# Altium PCB LF_v5.PcbDoc (part 2 of 2)
Units mm, origin at the board's own origin, x right, y up, seen from the top; angles counter-clockwise.
Board outline 130 x 40.35 mm, 2 copper layers (Top Layer, Bottom Layer), stack 1.571 mm thick; 76 components, 75 nets, 383 pads, 137 vias.
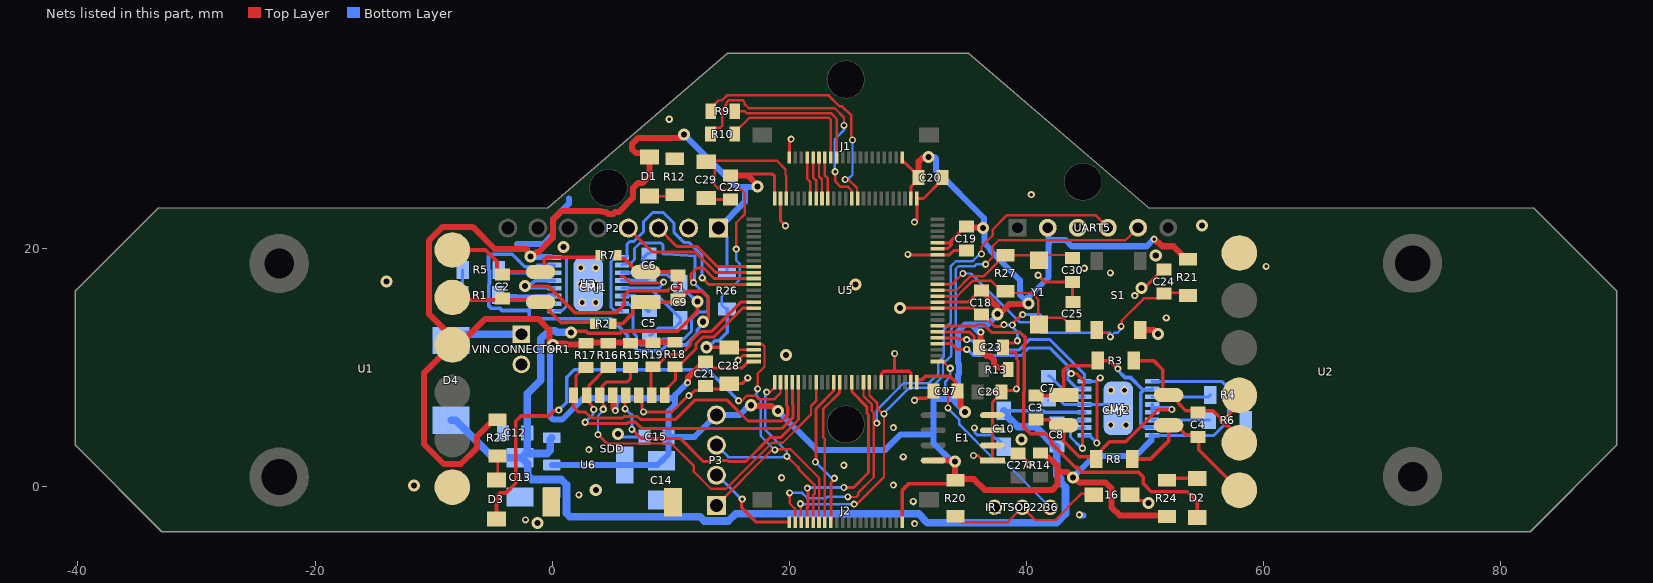
[diagram p2: the nets of this part, all layers, seen from the top]

## Via types
v1: diameter 0.6, hole 0.3, Top Layer to Bottom Layer, tented both sides, 100 vias
v2: diameter 1.016, hole 0.508, Top Layer to Bottom Layer, tented both sides, 33 vias
v3: diameter 0.6, hole 0.3, Top Layer to Bottom Layer, 4 vias

## Nets (pads, with @x,y where several pads share a name; then routed paths per layer and width w, separated by ;. In a path a pad name is that pad's centre, name@x,y a point inside that pad or via, vN(x,y) a via of type N, cw(c..) or ccw(c..) an arc to the next point about the centre after c; other vN are vias at no path point) (continued)
GND: 16.2 "VIN CONNECTOR1.2" C5.2 C7.2 C9.2 C10.2 C12.2 C13.2 C14.2 C15.2 C17.2 C18.2 C19.2 C20.2 C21.2 C22.2 C23.2 C24.2 C25.1 C26.2 C27.2 C28.1 C29.1 C30.1 E1.1 E1.2 E1.3 E1.4 IR_TSOP2236.3 J1.20 J2.20 P2.2 P3.2 R1.2 R4.2 R5.2 R6.2 R12.2 S1.2 SDD.6 SDD.SH1 U1.1 U2.1 U3.13 U3.17 U4.13 U4.17 U5.10 U5.19 U5.26 U5.49 U5.74 U5.94 U5.99 U6.1 UART5.3 | length 126.2
  Top Layer w0.254: v2@0.9,20 0.9,20.106 v2(0.951,20.158) ; 5.8,17.65 6.05,17.65 6.577,17.123 8.909,17.123 8.92,17.134 9.334,17.134 v1(9.4,17.2) ; SDD.6@7.297,7.65 7.57,7.377 7.57,6.473 7.7,6.344 v1(7.7,6.25) 10.1,6.25 v1@11.475,7.625 ; v1(11.525,7.625) v1@11.475,7.625 ; C29.1@13,24.291 13.127,24.164 C22.2@15.05,24.164 ; v1(15.675,10.6) 15.675,10.625 15.725,10.675 15.766,10.675 16.091,11 U5.74@17,11 ; v1(16.025,-1.1) 15.975,-1.15 15.975,-1.825 17.2,-3.05 J2.20@20,-3.05 ; v1(16.49,9.116) 16.49,9.09 16.027,8.627 C28.1@14.932,8.627 14.468,8.163 13.21,8.163 C21.2@12.925,8.448 12.838,8.361 12.544,8.067 12.046,8.067 11.604,7.625 v1@11.475,7.625 ; U5.49@19.25,24.25 19.25,22.375 v1(19.675,21.95) ; J1.20@20,27.7 20,29.006 20.15,29.156 v1(20.15,29.25) ; U5.94@27.75,8.75 27.773,8.773 27.773,9.485 27.965,9.677 28.852,9.677 ; v1(28.868,11.172) 28.9,11.14 28.9,10.925 28.852,10.877 28.852,9.677 ; v2(29.325,15) U5.10@32.5,15 35.523,15 36.073,14.45 C18.2@36.2,14.45 36.327,14.45 37.345,13.432 37.862,13.432 37.985,13.555 38.046,13.555 v1(38.096,13.605) ; v1(30,19.525) 30.025,19.5 U5.19@32.5,19.5 33.508,19.5 33.859,19.851 C19.2@34.925,19.851 ; U5.99@30.25,8.75 30.254,8.754 30.254,9.535 30.111,9.677 28.852,9.677 ; v1(30.55,22.25) 30.75,22.45 U5.26@30.75,24.25 31.302,24.25 32.925,25.873 C20.2@32.925,26 ; v1(30.552,7.235) 30.552,7.252 30.7,7.4 31.55,7.4 31.642,7.492 31.769,7.492 32.15,7.873 C17.2@32.15,8 ; v1(35.525,2.575) 35.91,2.575 36.325,2.16 E1.1@37.125,2.16 E1.2@37.125,3.43 E1.3@37.125,4.7 E1.4@37.125,5.97 37.125,7.056 C26.2@37.882,7.813 ; v1(36.9,7.975) 36.935,7.94 C26.2@37.882,7.94 C26.2@37.882,7.813 ; v1(38.802,13.576) 38.802,13.652 39.597,14.447 v1(39.671,14.447) ; v1(39.222,12.249) 39.199,12.249 39,12.05 38.382,12.05 C23.2@38.032,11.7 38.032,11.681 38.413,11.3 39.001,11.3 39.15,11.151 39.15,10.715 39.275,10.59 39.275,8.325 v1(39.137,8.187) 39,8.05 38.119,8.05 C26.2@37.882,7.813 ; C27.2@39.295,2.757 39.422,2.757 40.075,2.104 40.075,1.875 40.16,1.79 v1(40.219,1.79) ; v2@39.475,3.925 v2(39.584,3.925) ; v1(40.977,17.776) 40.977,17.773 41.557,17.193 C30.1@43.875,17.193 43.875,15.557 C25.1@43.9,15.532 ; 16.2@48.725,-0.756 49.208,-1.238 50.088,-1.238 v2(50.3,-1.45) ; v1@49.117,16.049 v1@49.124,16.049 ; v2(49.675,16.7) 49.7,16.725 49.938,16.725 51.47,18.257 C24.2@51.597,18.257
  Top Layer w0.508: S1.2@49.59,13.146 50.754,13.146 v2(51.075,12.825) ; v2@54.798,21.946 54.798,21.948 v2(54.8,21.95)
  Bottom Layer w0.254: v2@-13.975,17.075 v2(-13.975,17.25) ; R1.2@-7.598,16.091 -7.548,16.141 R5.2@-7.548,18.225 ; v2@-1.275,-3.175 -1.275,-3.15 v2(-1.25,-3.125) ; v2@5.375,4.3 v2@5.412,4.263 ; v2(5.55,4.4) 5.53,4.38 5.53,4.145 7.767,4.145 C15.2@7.779,4.134 ; U3.13@5.885,16.678 8.279,16.678 ; C5.2@8.2,12.718 8.327,12.718 8.924,13.315 10.321,13.315 10.804,13.797 C9.2@10.804,13.975 10.804,14.153 8.279,16.678 ; v1(9.4,17.2) 9.4,17.106 9.3,17.006 9.3,17 8.978,16.678 8.279,16.678 ; P3.2@13.85,0.91 13.932,0.91 15.943,-1.1 v1(16.025,-1.1) ; v2@25.575,16.825 25.586,16.836 v2(25.586,16.988) ; v1@29.593,2.448 29.598,2.448 v1(29.6,2.45) ; v1(30.447,-1.3) 30.475,-1.328 v1@30.475,-1.575 ; v1(35.6,4.9) 35.647,4.853 35.647,4.478 35.825,4.3 37.059,4.3 37.399,3.96 37.577,3.96 38.059,3.478 C10.2@38.059,3.3 ; v1(38.096,13.605) 38.111,13.59 38.787,13.59 v1(38.802,13.576) ; v1@38.722,13.495 39.222,12.995 v1(39.222,12.249) ; v1(39.137,8.187) 39.15,8.2 v1@39.15,8.25 ; v1(39.671,14.447) 41.128,14.447 41.4,14.175 ; C7.2@41.85,7.225 42.825,7.225 43.174,6.876 U4.13@44.892,6.876 47.417,6.876 U4.17@47.742,6.551
  Bottom Layer w0.508: -2.975,20.4 -0.772,20.4 0.057,21.229 0.057,22.445 1.4,23.788 1.4,24.225 ; v3(9.875,30.925) v3@9.9,30.925 ; v3@24.601,1.749 v3@24.62,1.749 ; v3(44.46,-2.423) 44.537,-2.5 44.8,-2.5
  other v1: 30.567,-3.171 -2.25,-2.85 2.25,-0.75 28.775,0.075 3.1,3.075 28.775,4.925 51.781,14.181 49.125,16.05 47.075,17.975 44.87,18.366 60.2,18.525 40.4,24.575
  other v2: 3.675,-0.325 -11.65,0.025 19.725,11.05 50.894,19.422
  other v3: 19.35,0.7 24.6,1.75
GPIO_1: J1.14 U5.41 | length 3.6
  Top Layer w0.203: J1.14@23,27.7 23,26.174 23.25,25.924 U5.41@23.25,24.25
GPIO_2: J1.15 U5.42 | length 3.6
  Top Layer w0.203: J1.15@22.5,27.7 22.5,26.1 22.75,25.85 U5.42@22.75,24.25
GPIO_3: J1.16 U5.43 | length 3.6
  Top Layer w0.203: J1.16@22,27.7 22,26.025 22.25,25.775 U5.43@22.25,24.25
GPIO_4: J1.17 U5.44 | length 3.6
  Top Layer w0.203: J1.17@21.5,27.7 21.5,25.925 21.75,25.675 U5.44@21.75,24.25
IR_PIN: IR_TSOP2236.2 U5.1 | length 17.3
  Top Layer w0.203: U5.1@32.5,10.5 32.95,10.5 33.524,9.926 v1(33.561,9.926) ; v1(33.161,8.098) 33.161,7.99 33.372,7.779 33.372,6.588 v1(33.377,6.583)
  Bottom Layer w0.203: v1(33.161,8.098) 33.161,8.812 33.561,9.212 v1(33.561,9.926) ; v1(33.377,6.583) 33.377,6.523 34.336,5.565 34.336,5.179 37.304,2.211 37.989,2.211 IR_TSOP2236.2@42,-1.8
LD1: D3.1 U5.77 | length 37
  Top Layer w0.203: v1@15.854,7.052 16.425,7.624 17.098,7.624 17.413,7.309 18.713,7.309 19.25,7.845 U5.77@19.25,8.75
  Top Layer w0.305: D3.1@-4.7,-2.777 -4.7,-0.925 -4.365,-0.59 -3.895,-0.59 -3.075,0.229 -3.075,5.45 -2.625,5.9 -0.3,5.9 0.147,6.347 0.501,6.347 v1(0.557,6.403) ; v1(15.721,7.185) v1@15.75,7.156
  Bottom Layer w0.305: v1(0.557,6.403) 1.225,7.071 1.225,9.175 1.85,9.8 13.106,9.8 v1(15.721,7.185)
LD2: D2.1 U5.7 | length 34.6
  Top Layer w0.254: U5.7@32.5,13.5 35.784,13.5 35.889,13.605 36.399,13.605 37.058,12.945 39.063,12.945 39.092,12.975 39.425,12.975
  Top Layer w0.305: 39.425,12.975 39.793,12.607 39.793,12.606 39.878,12.521 39.878,11.978 39.793,11.893 39.793,7.916 39.757,7.88 39.757,4.973 40.33,4.4 41.575,4.4 42.1,3.875 42.1,3.6 44.111,1.589 44.258,1.589 44.686,1.161 49.439,1.161 49.825,0.775 49.825,0.225 50.525,-0.475 53.56,-0.475 54.386,-1.301 D2.1@54.386,-2.652
LD3: R9.2 U5.36 | length 21.3
  Top Layer w0.203: R9.2@13.375,31.6 13.375,31.854 14.025,32.504 14.294,32.504 14.733,32.943 23.307,32.943 24.243,32.007 24.449,32.007 25.225,31.231 25.225,29.275 v1(25.325,29.175) ; v1(24.697,25.847) 24.773,25.771 25.054,25.771 25.702,25.124 25.702,24.298 U5.36@25.75,24.25
  Bottom Layer w0.203: v1(24.697,25.847) 24.772,25.922 24.997,25.922 25.325,26.25 v1(25.325,29.175)
LD4: R10.2 U5.37 | length 22.4
  Top Layer w0.203: R10.2@13.35,29.675 13.35,29.929 13.629,30.208 14.158,30.208 14.325,30.375 14.325,31.8 14.7,32.175 14.7,32.336 14.901,32.537 16.04,32.537 16.217,32.36 16.217,32.208 16.575,31.85 23.825,31.85 24.605,31.07 v1(24.605,30.406) ; v1(23.855,26.5) 23.875,26.48 23.875,25.675 24.325,25.225 24.952,25.225 25.238,24.938 25.238,24.262 U5.37@25.25,24.25
  Bottom Layer w0.203: v1(23.855,26.5) 23.825,26.53 23.825,29.225 24.65,30.05 24.65,30.361 v1(24.605,30.406)
M1_IN1: U4.9 U4.16 U5.5 | length 23.5
  Top Layer w0.254: U5.5@32.5,12.5 34.175,12.5 34.332,12.343 v1(34.957,12.343) ; v1(45.925,3.625) 45.925,8.925 46.125,9.125 46.137,9.113 v1(46.215,9.113)
  Bottom Layer w0.254: v1(34.957,12.343) 35.017,12.284 35.353,12.284 36.186,11.45 39.333,11.45 40.226,12.343 41.982,12.343 44.892,9.433 U4.16@44.892,8.826 45.873,8.826 46.16,9.113 v1(46.215,9.113) ; U4.9@44.892,4.276 45.292,4.276 45.75,3.818 45.75,3.774 45.899,3.625 v1(45.925,3.625)
M1_IN2: U4.10 U4.15 U5.4 | length 25.9
  Top Layer w0.254: U5.4@32.5,12 33.675,12 34.175,11.5 34.932,11.5 v1(34.957,11.525) ; v1(43.771,9.472) 43.793,9.45 43.825,9.45 43.85,9.475 44.225,9.475 44.87,8.83 44.87,8.62 44.716,8.466 v1(44.716,3.181)
  Bottom Layer w0.254: v1(34.957,11.525) 35.023,11.525 35.555,10.993 39.522,10.993 40.179,11.65 41.955,11.65 43.475,10.13 43.475,9.825 ; v1(43.771,9.472) 43.771,9.529 43.475,9.825 ; v1(44.716,3.181) 44.644,3.181 43.7,4.125 43.7,4.525 44.028,4.853 44.819,4.853 U4.10@44.892,4.926 ; U4.15@44.892,8.176 44.819,8.249 44.236,8.249 43.475,9.01 43.475,9.825
M2_IN1: U3.9 U3.16 U5.62 | length 24.2
  Top Layer w0.254: v1(12.65,17.55) 13.2,17 U5.62@17,17
  Bottom Layer w0.254: U3.16@5.885,14.728 5.812,14.801 5.229,14.801 4.958,15.072 4.958,18.934 5.229,19.205 5.885,19.205 6.052,19.205 U3.9@6.198,19.351 ; U3.9@5.885,19.278 6.125,19.278 U3.9@6.198,19.351 ; v1(12.65,17.55) 12.65,19.43 11.565,20.515 11.137,20.515 10.252,21.4 10.252,22.177 9.367,23.061 8.473,23.061 7.68,22.269 7.68,21.412 6.888,20.62 6.546,20.62 6.308,20.381 6.308,19.351 U3.9@6.198,19.351
M2_IN2: U3.10 U3.15 U5.61 | length 32.2
  Top Layer w0.254: v1(11.917,17.148) 11.867,17.198 11.867,17.235 11.725,17.376 11.725,17.875 12.225,18.375 12.775,18.375 13.65,17.5 U5.61@17,17.5
  Bottom Layer w0.254: U3.15@5.885,15.378 5.958,15.305 6.457,15.305 6.507,15.255 6.591,15.255 6.812,15.034 6.812,12.945 7.092,12.665 7.092,12.22 7.43,11.883 8.97,11.883 9.162,12.075 9.162,12.234 9.311,12.383 11.071,12.383 11.74,13.052 11.74,14.076 12.353,14.688 12.987,14.688 13.153,14.855 13.153,15.911 v1(11.917,17.148) 12.02,17.251 12.02,17.276 12.02,18.194 12.025,18.199 12.025,19.409 9.565,19.544 9.325,19.557 9.325,20.343 9.176,20.492 7.407,20.492 6.948,20.033 6.948,19.108 6.541,18.701 5.958,18.701 U3.10@5.885,18.628
MPU_SCL: P2.3 U5.59 | length 9.4
  Top Layer w0.254: P2.3@8.96,21.75 10.507,20.203 12.239,20.203 13.943,18.5 U5.59@17,18.5
MPU_SDA: P2.4 U5.60 | length 12.1
  Top Layer w0.254: P2.4@6.42,21.75 8.424,19.746 12.05,19.746 13.773,18.023 16.407,18.023 16.977,18.023 U5.60@17,18
Net16_1: 16.1 IR_TSOP2236.1 R20.2 | length 13.6
  Top Layer w0.203: R20.2@34.025,-2.563 34.512,-3.05 38.4,-3.05 39.383,-2.067 39.917,-2.067 40.717,-2.867 42.442,-2.867 43.513,-1.795 43.513,-1.73 44.585,-0.659 45.58,-0.659 16.1@45.677,-0.756
NetC5_1: C5.1 U3.14 | length 2.9
  Bottom Layer w0.305: U3.14@5.885,16.028 6.942,16.028 7.717,15.253 7.717,15.106 8.073,14.75 C5.1@8.2,14.75
NetC6_1: C6.1 U3.11 | length 3.2
  Bottom Layer w0.305: U3.11@5.885,17.978 6.871,17.978 7.692,18.799 7.692,19.269 8.048,19.625 C6.1@8.175,19.625
NetC7_1: C7.1 U4.14 | length 3.9
  Bottom Layer w0.254: C7.1@41.85,9.257 41.977,9.257 43.175,8.059 43.175,7.75 43.399,7.526 U4.14@44.892,7.526
NetC8_1: C8.1 U4.11 | length 2.4
  Bottom Layer w0.254: C8.1@42.55,5.357 43.666,5.357 43.884,5.576 U4.11@44.892,5.576
NetD1_1: D1.1 R12.1 | length 2.2
  Top Layer w0.203: D1.1@8.2,24.45 8.232,24.418 10.2,24.418 R12.1@10.334,24.552
NetD2_2: D2.2 R24.2 | length 2.6
  Top Layer w0.305: R24.2@51.825,0.473 52.002,0.65 D2.2@54.386,0.65
NetD3_2: D3.2 R25.2 | length 2
  Top Layer w0.203: D3.2@-4.7,0.525 -4.6,0.625 R25.2@-4.6,2.525
NetD4_2: "VIN CONNECTOR1.1" D4.2 | length 6.1
  Bottom Layer w0.635: D4.2@-8.525,12.275 -8.005,12.795 -2.6,12.795
NetJ1_12: J1.12 R9.1 | length 12.1
  Top Layer w0.203: R9.1@15.407,31.6 16.251,31.6 16.407,31.444 23.506,31.444 24,30.949 J1.12@24,27.7
NetJ1_13: J1.13 R10.1 | length 12
  Top Layer w0.203: R10.1@15.382,29.675 15.382,29.802 16.618,31.038 23.337,31.038 23.5,30.875 J1.13@23.5,27.7
NetR1_1: R1.1 U3.3 | length 4.8
  Bottom Layer w0.305: R1.1@-4.55,16.091 -4.484,16.025 -3.05,16.025 -3.011,15.986 -1.481,15.986 -1.439,16.028 U3.3@0.185,16.028
NetR4_1: R4.1 U4.3 | length 5
  Bottom Layer w0.254: U4.3@50.592,7.526 55.342,7.526 R4.1@55.5,7.684
NetR5_1: R5.1 U3.6 | length 4.8
  Bottom Layer w0.305: R5.1@-4.5,18.225 -4.253,17.978 U3.6@0.185,17.978
NetR6_1: R6.1 U4.6 | length 4.8
  Bottom Layer w0.254: U4.6@50.592,5.576 55.401,5.576 R6.1@55.427,5.55
OSC_IN: C25.2 R27.2 U5.12 Y1.1 | length 15.2
  Top Layer w0.203: U5.12@32.5,16 34.148,16 35.44,17.292 37.028,17.292 37.895,16.425 R27.2@38.225,16.425 38.379,16.271 40.431,16.271 40.99,15.712 40.99,13.682 Y1.1@41.042,13.63 41.606,14.194 43.079,14.194 43.773,13.5 C25.2@43.9,13.5
OSC_OUT: C30.2 R27.1 U5.13 Y1.2 | length 13.6
  Top Layer w0.203: U5.13@32.5,16.5 34.074,16.5 35.272,17.698 36.403,17.698 37.565,18.859 37.565,19.143 R27.1@37.895,19.473 ; R27.1@38.225,19.473 R27.1@37.895,19.473 ; C30.2@43.875,19.225 43.62,19.48 41.492,19.48 Y1.2@41.042,19.03 40.599,19.473 R27.1@37.895,19.473
PWM1_M1: C3.1 CMJ2.1 R3.1 U4.2 U4.7 | length 17.4
  Top Layer w0.305: C3.1@40.8,7.625 CMJ2.1@43.125,7.625 ; CMJ2.1@43.125,7.665 43.125,9.19 43.116,9.2 43.116,9.743 43.5,10.127 45.554,10.127 R3.1@46.002,10.575 47.025,10.575 v1(47.7,9.9)
  Bottom Layer w0.305: v1(47.7,9.9) 47.7,9.75 48.297,9.153 48.772,9.153 49.797,8.128 49.925,8.128 ; U4.7@50.592,4.926 50.544,4.974 49.925,4.974 49.64,5.259 49.64,7.843 49.925,8.128 ; U4.2@50.592,8.176 50.544,8.128 49.925,8.128
PWM1_M2: C1.1 CMJ1.1 R2.1 U3.2 U3.7 | length 46.5
  Top Layer w0.305: R2.1@5.074,13.681 5.078,13.684 5.922,13.684 6.777,14.54 6.777,15.062 7.225,15.51 CMJ1.1@7.875,15.51 10.417,15.51 C1.1@10.625,15.718 10.752,15.718 11.448,16.414 12.608,16.414 13.15,15.871 13.15,14.117 12.791,13.759 v2(12.7,13.85)
  Bottom Layer w0.305: U3.2@0.185,15.378 -1.105,15.378 -1.358,15.125 -1.746,15.125 -1.925,14.946 ; U3.7@0.185,18.628 -1.227,18.628 -1.358,18.498 -2.323,18.498 -3.375,19.55 -5.196,19.55 -5.375,19.371 -5.375,18.225 -5.284,18.134 -5.284,17.049 -5.334,16.999 -5.334,15.183 -5.128,14.977 -4.402,14.977 -4.225,14.8 -2.071,14.8 -1.925,14.946 ; v2(12.7,13.85) 12.7,13.658 12.223,13.18 12.223,12.852 11.604,12.234 11.604,12.229 11.266,11.891 9.66,11.891 9.17,11.401 7.23,11.401 6.352,12.278 6.352,12.723 4.967,14.108 -1.746,14.108 -1.925,14.286 -1.925,14.8 -1.925,14.946
PWM2_M1: C3.2 CMJ2.2 R8.1 U4.4 U4.5 | length 17.9
  Top Layer w0.305: C3.2@40.8,5.593 41.883,5.593 42.351,5.125 CMJ2.2@43.125,5.125 43.125,3.775 44.442,2.458 45.692,2.458 R8.1@45.875,2.275 45.875,2.605 46.995,3.725 48.373,3.725 51.073,6.425 v1@52.275,6.425
  Bottom Layer w0.305: U4.5@50.592,6.226 50.592,6.6 ; U4.4@50.592,6.876 50.592,6.6 ; v1(52.25,6.45) 52.1,6.6 50.592,6.6
PWM2_M2: C1.2 CMJ1.2 R7.1 U3.4 U3.5 | length 27
  Top Layer w0.305: v2(-2.3,16.85) -2.148,16.85 -2.145,16.846 -0.314,16.846 1.907,14.625 5.425,14.625 6.079,15.279 6.079,16.062 6.479,16.462 9.728,16.462 9.844,16.578 10.521,16.578 10.7,16.757 10.7,17.675 C1.2@10.625,17.75 10.325,18.05 7.225,18.05 6.104,19.171 5.729,19.171 5.5,19.399 R7.1@5.5,19.45
  Bottom Layer w0.305: v2(-2.3,16.85) -2.168,16.718 -2.017,16.718 0.145,16.718 U3.4@0.185,16.678 ; v2@-1.952,16.846 -1.623,17.175 -1.575,17.175 -1.422,17.328 U3.5@0.185,17.328
PWMM11: C4.1 CMJ2.4 R3.2 U2.5 | length 13.4
  Top Layer w0.305: R3.2@49.05,10.575 50.7,10.575 51.477,9.798 51.477,8.079 51.891,7.665 CMJ2.4@51.975,7.665 52.383,7.665 52.796,7.251 52.796,6.994 53.433,6.357 54.525,6.357 55.718,6.357 56.369,5.706 56.369,5.453 56.753,5.069 57.006,5.069 57.946,4.129 U2.5@57.946,3.648
PWMM12: C4.2 CMJ2.3 R8.2 U2.6 | length 14
  Top Layer w0.305: R8.2@48.923,2.275 50.45,2.275 51.975,3.8 CMJ2.3@51.975,5.125 52.625,5.125 53.425,4.325 54.525,4.325 54.525,3.069 U2.6@57.946,-0.352
PWMM21: C2.1 CMJ1.4 R2.2 U1.5 | length 13.8
  Top Layer w0.305: U1.5@-8.421,15.902 -8.2,15.681 C2.1@-4.175,15.681 ; C2.1@-4.175,15.8 C2.1@-4.175,15.681 ; CMJ1.4@-0.975,15.51 CMJ1.4@-0.804,15.339 ; R2.2@3.55,13.681 3.417,13.814 1.242,13.814 1.204,13.775 0.76,13.775 -0.207,14.742 -0.207,15.096 CMJ1.4@-0.449,15.339 ; C2.1@-4.175,15.681 -1.146,15.681 CMJ1.4@-0.804,15.339 ; CMJ1.4@-0.804,15.339 CMJ1.4@-0.449,15.339 ; CMJ1.4@-0.804,15.339 CMJ1.4@-0.449,15.339
PWMM22: C2.2 CMJ1.3 R7.2 U1.6 | length 14.9
  Top Layer w0.305: U1.6@-8.421,19.902 -5.627,19.902 -4.658,18.933 -4.658,18.188 -4.302,17.832 C2.2@-4.175,17.832 -3.957,18.05 CMJ1.3@-0.975,18.05 -0.891,18.05 -0.684,18.257 -0.684,19.096 -0.505,19.275 3.801,19.275 R7.2@3.976,19.45
RESET: C24.1 R21.2 S1.1 U5.14 | length 27.1
  Top Layer w0.203: U5.14@32.5,17 33.701,17 34.427,17.726 34.445,17.726 v1(34.636,17.917) ; S1.1@45.907,13.146 46.153,12.9 46.775,12.9 47.075,12.6 v1(47.075,12.575) ; v1@47.921,13.404 v1(47.975,13.457) ; v1@48.03,13.405 48.03,13.955 49.894,15.819 51.19,15.819 51.674,16.302 53.369,16.302 R21.2@53.604,16.067
  Bottom Layer w0.203: v1(34.636,17.917) 35.316,17.917 39.408,13.825 40.285,13.825 41.185,12.925 47.075,12.925 ; v1(47.075,12.575) 47.075,12.6 47.4,12.925 47.675,12.925 47.975,13.225 v1(47.975,13.457)
SWCLK: J2.16 P3.3 U5.76 | length 20.7
  Top Layer w0.203: v1(18.077,7.913) 18.136,7.854 18.304,7.854 18.75,8.3 U5.76@18.75,8.75 ; v1(19.797,2.499) 20.703,1.593 20.801,1.593 20.801,1.404 22.13,0.076 22.13,-0.65 22,-0.78 J2.16@22,-3.05
  Bottom Layer w0.203: P3.3@13.85,3.45 14.862,2.438 19.437,2.438 v1@19.797,2.798 ; v1(18.077,7.913) 18.077,7.823 17.981,7.727 17.981,4.719 19.725,2.975 19.725,2.97 19.797,2.898 19.797,2.778 v1(19.797,2.499)
SWDIO: J2.15 P3.1 U5.72 | length 26
  Top Layer w0.203: P3.1@13.85,-1.63 18.447,2.967 18.697,2.967 v1(18.773,3.043) ; U5.72@17,12 17.048,11.952 17.725,11.952 17.902,11.775 17.902,10.052 17.322,9.472 v1(17.322,8.186) ; v1@18.792,3.104 20.089,3.104 22.536,0.657 22.536,-0.979 22.5,-1.015 J2.15@22.5,-3.05
  Bottom Layer w0.203: v1(17.322,8.186) 17.246,8.11 17.246,7.83 17.178,7.762 17.178,7.674 17.574,7.277 17.574,4.241 v1(18.773,3.043)
SWO: J2.17 U5.89 | length 16.8
  Top Layer w0.254: J2.17@21.5,-3.05 21.5,-1.816 21.555,-1.761 21.555,-0.205 v1(21.525,-0.175) ; v1(24.6,-0.125) 25.425,-0.125 26.68,1.13 26.68,6 26.526,6.153 26.526,6.689 25.273,7.943 25.273,8.727 U5.89@25.25,8.75
  Bottom Layer w0.254: v1(21.525,-0.175) 21.575,-0.125 v1(24.6,-0.125)
UART5_RX: J2.19 U5.91 UART5.4 | length 52.8
  Top Layer w0.203: v1(20.025,-0.575) 20.025,-1.455 20.5,-1.93 J2.19@20.5,-3.05 ; v1(24.933,-0.916) 24.941,-0.925 25.65,-0.925 25.8,-0.775 25.8,-0.575 27.112,0.737 27.112,5.625 ; U5.91@26.25,8.75 26.25,7.576 26.958,6.868 26.958,6.332 27.112,6.178 27.112,5.625 ; v1(27.375,5.3) 27.375,5.362 27.112,5.625 ; v1(36.203,19.561) 36.203,20.173 37.15,21.12 37.15,21.624 38.364,22.838 45.805,22.838 UART5.4@46.86,21.783
  Bottom Layer w0.203: v1(20.025,-0.575) 21.07,-0.575 21.52,-1.025 23.118,-1.025 23.227,-0.916 v1(24.933,-0.916) ; v1(27.375,5.3) 27.375,6.4 29.65,8.675 31.775,8.675 32.55,9.45 32.55,10.45 33.025,10.925 33.025,13.2 33.625,13.8 33.625,18.55 34.025,18.95 35.45,18.95 36.061,19.561 v1(36.203,19.561)
UART5_TX: J2.18 U5.92 UART5.5 | length 51.4
  Top Layer w0.203: v1(20.925,-1.5) 20.963,-1.538 20.963,-3.013 J2.18@21,-3.05 ; v1(25.452,-1.529) 25.49,-1.567 25.658,-1.567 27.98,0.755 v1(27.98,6.075) ; U5.92@26.75,8.75 26.755,8.745 26.755,7.645 27.394,7.007 27.394,6.581 v1@27.976,5.999 ; v1(36.55,18.7) 37.141,19.291 37.141,20.213 37.657,20.728 48.345,20.728 UART5.5@49.4,21.783
  Bottom Layer w0.203: v1(20.925,-1.5) 20.946,-1.521 25.444,-1.521 v1(25.452,-1.529) ; v1(27.98,6.075) 27.98,6.155 30.094,8.269 31.943,8.269 32.956,9.282 32.956,10.282 33.641,10.967 33.641,13.242 34.031,13.632 34.031,18.288 34.287,18.544 35.618,18.544 35.774,18.7 v1(36.55,18.7)
USART2_RX: J2.14 U5.87 | length 12.4
  Top Layer w0.203: J2.14@23,-3.05 23,3.961 22.845,4.116 22.845,6.486 23.659,7.3
  Top Layer w0.254: 23.659,7.3 24.227,7.868 24.227,8.727 U5.87@24.25,8.75
USART2_TX: J2.13 U5.86 | length 13.4
  Top Layer w0.254: v1(22.2,2.025) 22.257,2.082 22.257,6.544 23.727,8.015 23.727,8.727 U5.86@23.75,8.75 ; J2.13@23.5,-3.05 23.5,0.256 23.8,0.556 v1(23.8,0.65)
  Bottom Layer w0.254: v1(22.2,2.025) 23.509,0.716 23.734,0.716 v1(23.8,0.65)
uSD_CLK: SDD.5 U5.80 | length 23.1
  Top Layer w0.254: v1(6.15,6.5) 6.15,7.603 SDD.5@6.197,7.65 ; v1(6.725,4.775) 7.482,4.019 10.794,4.019 12.737,2.075 13.297,2.075 13.382,2.16 14.793,2.16 14.878,2.075 16.339,2.075 18.343,4.079 19.257,4.079 20.777,5.599 20.777,7.051 20.75,7.078 U5.80@20.75,8.75
  Bottom Layer w0.254: v1(6.15,6.5) 6.178,6.5 6.646,6.033 6.725,6.033 v1(6.725,4.775)
uSD_CMD: R15.2 SDD.3 U5.83 | length 33.9
  Top Layer w0.203: v1(3.863,4.337) 4.612,3.587 10.038,3.587 11.95,1.675 11.95,1.2 13.375,-0.225 14.649,-0.225 18.522,3.648 19.436,3.648 21.825,6.037 21.825,6.75 22.25,7.175 U5.83@22.25,8.75 ; SDD.3@3.943,7.75 4.242,7.452 4.242,6.941 4.422,6.76 4.381,6.719 4.381,6.551 v1(4.305,6.475)
  Top Layer w0.254: SDD.3@3.943,7.75 4.216,8.023 4.216,8.435 4.536,8.755 6.296,8.755 6.615,9.074 6.615,9.903 6.606,9.903 6.575,9.933 6.575,9.958 R15.2@6.61,9.993
  Bottom Layer w0.203: v1(3.863,4.337) 3.863,5.926 4.305,6.368 v1(4.305,6.475)
uSD_D0: R19.2 SDD.7 U5.65 | length 13.3
  Top Layer w0.254: SDD.7@8.343,7.75 8.343,9.897 R19.2@8.49,10.043 8.744,10.043 9.77,11.069 10.81,11.069 11.68,11.94 11.68,12.202 12.49,13.012 13.412,13.012 15.9,15.5 U5.65@17,15.5
uSD_D1: R18.2 SDD.8 U5.66 | length 11.7
  Top Layer w0.254: SDD.8@9.45,7.736 9.45,7.986 10.4,8.936 10.4,10.025 10.369,10.056 R18.2@10.369,10.075 10.623,10.075 12.137,11.589 12.137,12.013 12.679,12.555 13.601,12.555 16.046,15 U5.66@17,15
uSD_D2: R17.2 SDD.1 U5.78 | length 27
  Top Layer w0.254: SDD.1@1.797,7.65 1.797,7.696 SDD.1@1.743,7.75 ; R17.2@2.85,9.993 2.723,9.993 2.016,9.286 2.016,8.023 SDD.1@1.743,7.75 ; U5.78@19.75,8.75 19.75,6.785 19.863,6.672 19.863,5.978 19.372,5.487 16.509,5.487 14.755,7.24 12.031,7.24 10.411,5.62 7.439,5.62 7.196,5.862 6.065,5.862 5.931,5.728 3.313,5.728 2.818,6.223 2.239,6.223 1.743,6.719 SDD.1@1.743,7.75
uSD_D3: R16.2 SDD.2 U5.79 | length 27.4
  Top Layer w0.254: v1(2.775,5.375) 2.869,5.375 2.973,5.271 6.33,5.271 6.464,5.405 7.007,5.405 7.553,4.86 19.391,4.86 20.32,5.789 20.32,6.861 20.25,6.932 U5.79@20.25,8.75 ; SDD.2@2.897,7.65 2.897,7.696 SDD.2@2.843,7.75 ; v1(3.5,6.45) 3.5,6.619 3.116,7.002 3.116,7.477 SDD.2@2.843,7.75 ; R16.2@4.73,9.993 4.603,9.993 3.116,8.507 3.116,8.023 SDD.2@2.843,7.75
  Bottom Layer w0.254: v1(2.775,5.375) 3.434,6.034 3.434,6.384 v1(3.5,6.45)
VCAP: C28.2 C29.2 R26.1 U5.48 U5.73 | length 34.4
  Top Layer w0.203: C28.2@14.728,11.472 14.757,11.5 U5.73@17,11.5 ; v1(15.525,19.975) 15.525,22.202 16.225,22.902 16.225,24.731 15.982,24.974 14.126,24.974 13.711,25.389 13.711,26.882 13.254,27.339 13.086,27.339 C29.2@13,27.339 13.086,27.425 13.254,27.425 18.95,27.425 19.675,26.7 19.675,26.2 19.75,26.125 U5.48@19.75,24.25
  Top Layer w0.305: v2(13.009,11.699) 14.501,11.699 C28.2@14.728,11.472 ; C28.2@14.757,11.5 C28.2@14.932,11.675
  Bottom Layer w0.203: R26.1@14.75,14.927 14.63,14.927 14.3,15.257 14.3,15.975 15,16.675 15.07,16.675 15.814,17.418 15.814,18.735 15.525,19.024 v1(15.525,19.975)
  Bottom Layer w0.305: v2(13.009,11.699) 13.149,11.699 13.708,12.258 14.054,12.258 14.75,12.954 R26.1@14.75,14.927
VCC: C14.1 C15.1 C17.1 C18.1 C19.1 C20.1 C21.1 C22.1 C23.1 D1.2 E1.8 J1.1 J2.1 P2.1 P3.4 R13.1 R14.1 R15.1 R16.1 R17.1 R18.1 R19.1 R20.1 R21.1 R24.1 R25.1 R26.2 SDD.4 U1.4 U2.4 U3.1 U3.8 U4.1 U4.8 U5.6 U5.11 U5.20 U5.21 U5.27 U5.50 U5.75 U5.100 U6.2 U6.4 UART5.2 | length 341.2
  Top Layer w0.254: C21.1@12.925,10.48 13.052,10.48 13.562,9.97 16.02,9.97 16.527,10.477 16.977,10.477 U5.75@17,10.5 ; C22.1@15.05,26.196 15.154,26.3 18.601,26.3 18.75,26.151 U5.50@18.75,24.25 ; J1.1@29.5,27.7 29.5,27.35 29.523,27.327 29.693,27.327 30.893,26.127 C20.1@30.893,26 30.893,25.873 30.251,25.231 30.251,24.251 U5.27@30.25,24.25 ; U5.6@32.5,13 34.827,13 34.854,12.973 35.218,12.973 35.587,12.604 35.587,12.357 35.619,12.325 35.619,12.208 36,11.827 C23.1@36,11.7 ; U5.11@32.5,15.5 35.091,15.5 36.073,16.482 C18.1@36.2,16.482 ; U5.20@32.5,20 32.523,20.023 33.348,20.023 33.653,20.328 33.653,20.672 ; U5.21@32.5,20.5 33.481,20.5 33.653,20.672 ; C19.1@34.925,21.883 34.798,21.883 34.417,21.502 34.417,21.436 33.653,20.672 ; v1(57.025,5.725) 57.091,5.791 57.091,6.05 57.946,6.905 U2.4@57.946,7.648
  Top Layer w0.305: J2.1@29.502,-2.702 29.502,-0.373 30.081,0.206 33.746,0.206 R20.1@34.025,0.485 ; U5.100@30.752,8.956 31.181,8.956 31.475,9.25 33.525,9.25 34.025,8.75 34.025,8.157 C17.1@34.182,8
  Top Layer w0.508: R25.1@-4.6,5.573 -4.93,5.573 -6.36,4.143 -6.36,3.2 -7.704,1.856 -9.138,1.856 -10.825,3.543 -10.825,9.498 U1.4@-8.421,11.902 ; v2@0.044,11.97 0.288,11.97 0.344,12.025 1.134,12.025 1.213,11.946 2.771,11.946 R17.1@2.85,12.025 ; v2(0.054,11.873) -0.226,12.152 -0.226,13.151 -1.175,14.1 -5.65,14.1 -7.848,11.902 U1.4@-8.421,11.902 ; R17.1@2.855,12.089 4.666,12.089 R16.1@4.73,12.025 ; R16.1@4.73,12.089 6.546,12.089 R15.1@6.61,12.025 ; SDD.4@5.043,7.75 5.189,7.604 5.189,6.522 5.329,6.383 v1(5.329,6.358) ; R15.1@6.61,12.083 R19.1@8.47,12.083 ; R19.1@8.49,12.075 8.569,12.154 10.322,12.154 R18.1@10.369,12.107 ; v2(11.1,29.657) 11.1,29.654 10.802,29.357 7.25,29.357 6.75,28.857 6.75,28.381 7.048,28.084 7.868,28.084 D1.2@8.2,27.752 8.2,26.139 7.6,25.539 7.225,25.539 6.807,25.122 6.807,24.298 5.602,23.093 5.293,23.093 5.15,22.95 4.7,22.95 4.557,23.093 4.31,23.093 4.253,23.15 4.141,23.15 4.09,23.202 4.077,23.188 0.8,23.188 0.737,23.125 0.725,23.125 0.057,22.457 0.057,20.921 -1.129,19.735 -1.316,19.735 -1.689,19.361 v2(-1.827,19.361) -1.827,19.499 -2.124,19.796 -2.124,20 -4.863,20 -6.713,21.85 -7.606,21.85 -7.612,21.856 -9.23,21.856 -10.375,20.711 -10.375,14.5 -8.421,12.546 U1.4@-8.421,11.902 ; v1(11.425,8.725) 11.443,8.743 11.443,9.125 12.798,10.48 C21.1@12.925,10.48 ; C22.1@15.05,26.196 16.502,26.196 16.8,25.899 16.8,25.887 17.3,25.387 v2(17.3,25.25) ; v2(16.762,6.811) 16.822,6.75 18.5,6.75 18.925,6.325 v2(19.025,6.325) ; C20.1@30.893,26.127 30.893,27.348 31.191,27.645 31.627,27.645 v2(31.724,27.743) ; E1.8@32.125,2.16 32.129,2.156 33.894,2.156 v2(33.975,2.075) 33.975,0.535 R20.1@34.025,0.485 34.127,0.587 35.563,0.587 36.475,-0.325 40.775,-0.325 40.8,-0.35 42.15,-0.35 42.59,0.09 42.59,1.2 ; C17.1@34.182,8 34.436,7.746 34.436,6.751 34.825,6.362 v2(34.825,6.225) ; C19.1@34.925,21.883 34.991,21.816 36.271,21.816 v2(36.337,21.75) ; v1(36.139,12.973) 36.132,12.966 36.132,11.832 C23.1@36,11.7 36,11.573 36.623,10.95 36.95,10.95 36.95,10.936 37.243,10.643 37.243,10.273 37.54,9.975 38.313,9.975 38.44,9.848 R13.1@38.44,9.82 ; C18.1@36.2,16.482 36.327,16.482 36.581,16.228 36.581,16.101 37.009,15.673 37.009,15.602 37.275,15.336 37.346,15.336 37.528,15.154 ; v2(37.546,14.485) 37.684,14.485 38.534,15.336 40.137,15.336 v2(40.177,15.376) ; R14.1@41.175,2.782 41.429,2.782 41.986,2.225 42.075,2.225 42.59,1.71 42.59,1.2 ; v1(50.752,20.826) 50.777,20.826 51.08,20.524 51.134,20.524 51.44,20.218 52.374,20.218 53.477,19.115 R21.1@53.604,19.115 ; R24.1@51.825,-2.575 51.725,-2.475 47.85,-2.475 47.15,-1.775 47.15,-0.19 46.652,0.308 44.455,0.308 44.037,0.725 v2(43.9,0.725) 43.425,1.2 42.59,1.2
  Bottom Layer w0.254: U3.1@0.185,14.728 0.258,14.801 0.841,14.801 1.2,15.16 1.2,19.1 1.022,19.278 U3.8@0.185,19.278 ; P2.1@14.04,21.75 14.75,21.04 R26.2@14.75,17.975 ; U4.8@50.592,4.276 55.809,4.276 57.025,5.492 v1(57.025,5.725) 57.025,8.25 56.449,8.826 U4.1@50.592,8.826
  Bottom Layer w0.508: v2(-1.827,19.361) -1.785,19.32 U3.8@-0.161,19.32 ; U6.2@-0.034,1.775 U6.4@6.116,1.775 8.873,1.775 C14.1@9.225,2.127 9.252,2.127 9.811,2.686 9.811,3.968 C15.1@9.811,4.134 9.811,6.311 10.375,6.875 10.375,7.4 ; v2(0.054,11.873) -0.2,11.619 -0.2,5.898 0.098,5.6 0.825,5.6 2.625,7.4 5.75,7.4 ; v1(5.329,6.358) 5.375,6.404 5.375,6.425 5.35,6.45 5.35,7 5.75,7.4 ; C15.1@9.976,4.046 10.065,4.134 11.994,4.134 P3.4@13.85,5.99 15.803,5.99 16.624,6.811 v2(16.762,6.811) ; v2(11.1,29.657) 15.532,25.225 16.25,25.225 ; v1(11.425,8.725) 10.375,7.675 10.375,7.4 ; P2.1@14.04,21.75 16.25,23.96 16.25,25.225 ; v2(17.3,25.25) 17.275,25.225 16.25,25.225 ; v2(19.025,6.325) 22.3,3.05 28.1,3.05 29.4,4.35 32.15,4.35 ; v2(31.724,27.743) 32.257,27.743 32.375,27.625 32.375,26.625 36.4,22.6 36.4,21.813 v2(36.337,21.75) ; v2(33.975,2.075) 33.675,2.075 32.15,3.6 32.15,4.35 ; v2(34.825,6.225) 34.2,6.85 ; 35.312,13.625 35.964,12.973 v1(36.139,12.973) ; v2@36.4,21.75 36.434,21.716 36.434,20.499 36.96,19.974 36.96,19.84 39.447,17.353 39.447,16.106 v2(40.177,15.376) ; v2(37.546,14.485) 37.546,14.421 36.75,13.625 34.814,13.625 34.2,13.011 34.2,10.389 34.318,10.271 34.318,9.464 34.2,9.346 34.2,6.85 ; v2@39.866,15.686 40.073,15.893 40.165,15.893 41.85,17.578 41.85,20.445 42.148,20.743 43.295,20.743 43.82,20.218 50.119,20.218 50.728,20.826 v1(50.752,20.826) ; UART5.2@41.78,21.783 41.85,21.713 41.85,20.775 ; v2(43.9,0.725) 45.35,2.175 45.35,2.252 45.648,2.55 49.225,2.55 50.525,3.85 U4.8@50.525,4.222 ; 5.75,7.4 10.375,7.4 ; 32.15,4.35 32.15,7.34 33.71,7.34 34.2,6.85
VIN: C6.2 C8.2 C9.1 C10.1 C12.1 C13.1 D4.1 U3.12 U4.12 U6.3 | length 114.4
  Top Layer w0.305: v2(1.6,12.95) 1.698,13.047 2.847,13.047 2.998,12.897 5.745,12.897 5.923,13.075 10.6,13.075 12.25,14.725 v2(12.25,15.55)
  Bottom Layer w0.305: U3.12@5.885,17.328 7.91,17.328 C6.2@8.438,17.856 ; C6.2@8.175,17.593 C6.2@8.438,17.856 ; v2(12.25,15.55) 12.248,15.552 12.175,15.552 11.339,16.388 11.161,16.388 10.704,16.845 10.704,16.923 C9.1@10.804,17.023 10.804,17.201 10.347,17.658 9.869,17.658 9.672,17.856 C6.2@8.438,17.856 ; C10.1@38.059,6.348 38.351,6.348 41.419,6.348 41.541,6.226 U4.12@44.892,6.226
  Bottom Layer w0.635: D4.1@-8.525,5.544 -8.119,5.544 -4.952,2.377 C13.1@-2.714,2.377 C13.1@-2.599,2.377 ; U6.3@-0.034,4.075 -0.15,3.959 -0.15,3.025 -0.432,2.743 C13.1@-2.234,2.743 ; v2(1.6,12.95) 1.574,12.95 1.54,12.984 0.383,12.984 0.259,13.108 -0.267,13.108 -0.975,12.4 -0.975,8.9 -2.104,7.771 C12.1@-2.104,4.475 -2.104,2.872 C13.1@-2.234,2.743 ; C10.1@38.059,6.348 38.059,6.17 39.249,4.98 40.768,4.98 42.423,3.325 C8.2@42.55,3.325 42.55,0.927 42.871,0.605 42.871,0.299 43.283,-0.112 43.283,-2.331 42.531,-3.083 31.64,-3.083 30.907,-2.35 15.466,-2.35 14.866,-2.951 12.834,-2.951 12.484,-2.6 1.5,-2.6 1.208,-2.308 1.208,0.11 0.768,0.55 -1.703,0.55 -2.075,0.922 -2.075,1.882 -2.57,2.377 C13.1@-2.599,2.377 ; C13.1@-2.599,2.377 C13.1@-2.234,2.743
pads on no net: J1.18 J1.19 J1.MP1 J1.MP2 J2.2 J2.3 J2.4 J2.5 J2.6 J2.7 J2.8 J2.9 J2.10 J2.11 J2.12 J2.MP1 J2.MP2 P2.5 P2.6 P2.7 P2.8 S1.3 S1.4 U1. U2. U5.8 U5.9 U5.15 U5.16 U5.17 U5.18 U5.22 U5.23 U5.38 U5.39 U5.40 U5.45 U5.46 U5.47 U5.51 U5.52 U5.53 U5.54 U5.55 U5.56 U5.57 U5.58 U5.67 U5.68 U5.69 U5.70 U5.71 U5.81 U5.82 U5.84 U5.85 U5.88 U5.90 U5.97 U5.98 UART5.1 UART5.6

## Polygon pours and split planes (outlines as drawn)
GND on Bottom Layer "NONET_L-01_P-001" (solid, pour order 0): -16.987,23.442 -17,-3.85 66.6,-3.85 66.555,-3.805 66.555,23.446 50.338,23.446 35.1,36.5 14.789,36.5 -0.369,23.442
GND on Top Layer "NONET_L-01_P-001" (solid, pour order 1): -16.987,23.442 -17,-3.85 66.6,-3.85 66.555,-3.805 66.555,23.446 50.338,23.446 35.1,36.5 14.789,36.5 -0.369,23.442

## Silkscreen, mask and mechanical layers (free items; w line width, h text height)
Top Overlay:
  circle w0.254: c-3.23,0.692 r0.103
  circle w0.254: c8.095,29.042 r0.103
  circle w0.254: c54.525,2 r0.103
  text "Line Follower / \"FELIX 2.0\"" at 27.15,32.15 h0.8
  text "Projektowal:  / Teodor" at 32.95,27 h0.8
  text "VCC>" at 41.625,25.2 h0.5 r270
  text "VCC^" at 16.15,20.95 h0.3 r90
  text "MPU-6050" at 8.7,19.2 h0.8
  text "VCC" at 16.05,5.25 h0.7
  text "SWCLK" at 15.6,3.55 h0.7
  text "GND" at 15.7,1.65 h0.7
  text "SWDIO" at 15.45,-3.65 h0.6
Bottom Overlay:
  text "Projektowal: Teodor" at 87.2,13.333 h1
  text "Rzeszow, 10.2020" at 82.85,10.383 h1
Milling:
  the board outline again, w0.1

## Text inside footprints (layer, text, board x,y; h text height)
J1: Top Overlay "20" at 16.675,32.95 h1.02; Top Overlay "1" at 34.2,24.4 h1.02
J2: Top Overlay "1" at 32.425,-3.475 h0.3
P2: Top Overlay "8" at -3.36,20.05 h1.02 r180
SDD: Top Overlay "Pinami do zewnatrz PCB!" at 10.454,1.025 h0.5 r180; Top Overlay "DAT1" at 9.379,5.9 h0.5 r270; Top Overlay "DAT0" at 8.254,6 h0.5 r270; Top Overlay "VSS" at 7.129,5.9 h0.5 r270; Top Overlay "CLK" at 6.029,5.9 h0.5 r270; Top Overlay "VDD" at 4.804,5.8 h0.5 r270; Top Overlay "CMD" at 3.779,5.825 h0.5 r270; Top Overlay "CD/DAT3" at 2.579,6.025 h0.5 r270; Top Overlay "DAT2" at 1.1,4.2 h0.5 r270